# KiCad board nsec-badge-2025-panel.kicad_pcb (continued)
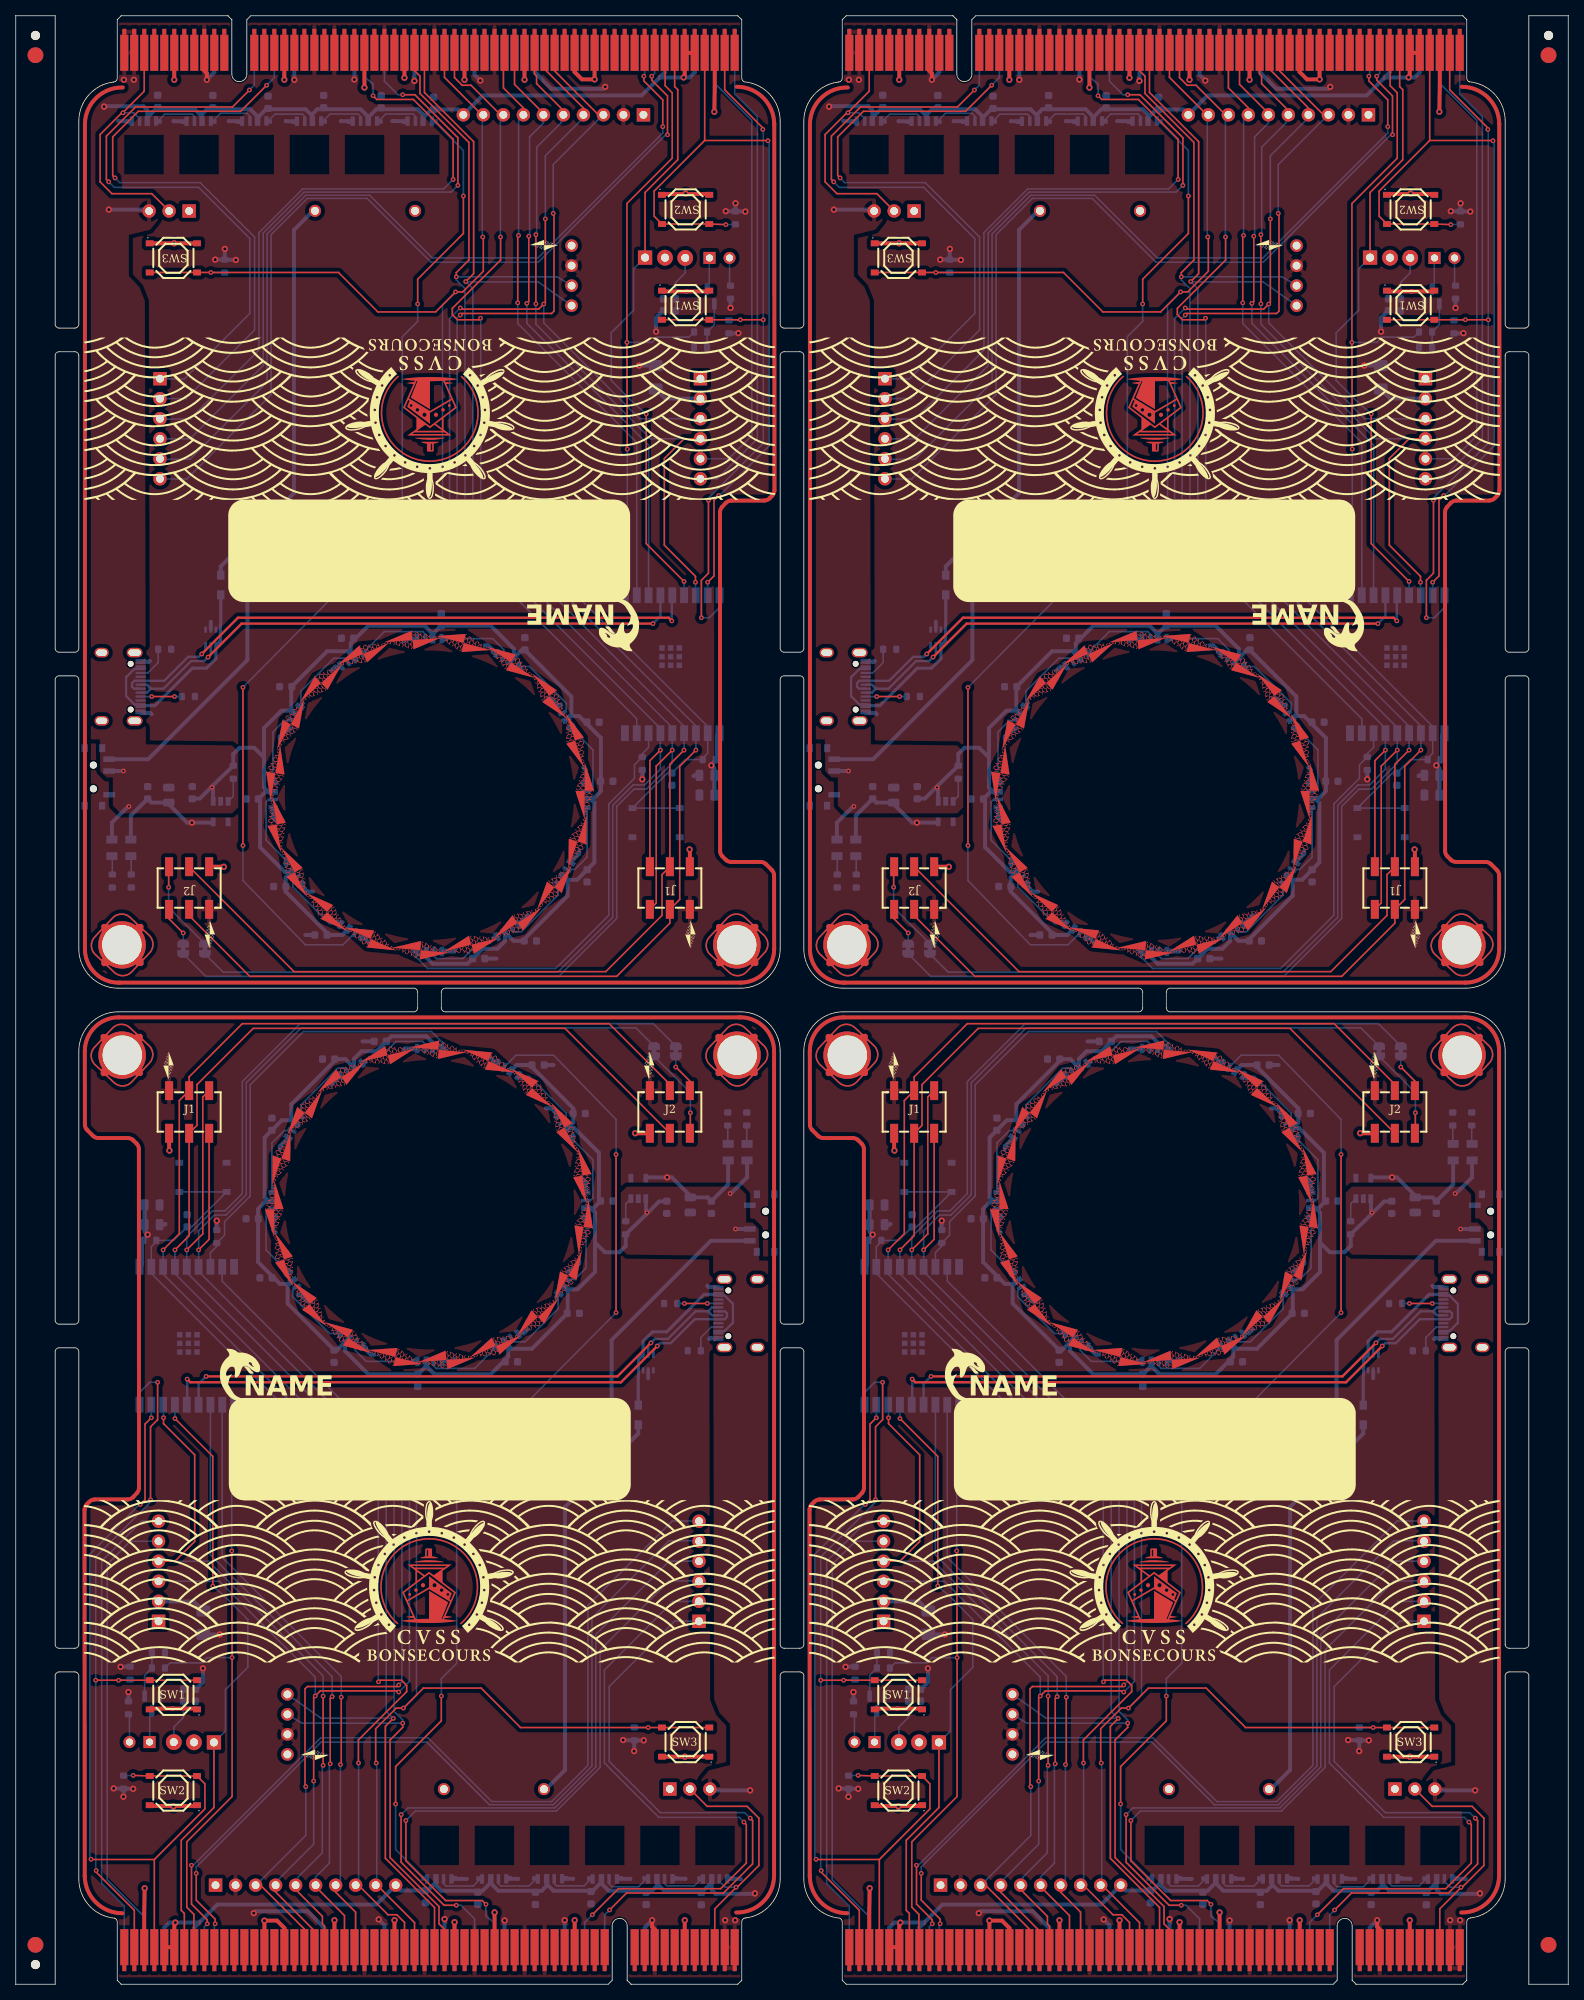
[diagram p0: board, top side]
## Routing (per net, layer and track width the routed paths; a pad name or vN(x,y) marks a point on that pad's centre or on a via; arc(x,y) is an arc through that point) (continued)
  Bottom w0.2: v2(29.65,240.32) 30.27,240.94 J5#4.A49 ; v2(11.8,228.67) 12.5,227.97 23.2,227.97 29.7,221.47 29.7,211.97 21.4,203.67 18.28,203.67 18.25,203.69
Board_0-SV4: length 80.4
  Top w0.2: v2(12.6,229.17) 12.3,229.47 12.3,234.37 15.55,237.62 28.53,237.62 v2(31.84,240.93)
  Bottom w0.2: 18.25,201.16 18.27,201.17 21.6,201.17 30.3,209.87 30.3,221.67 23.4,228.57 13.2,228.57 v2(12.6,229.17) ; v2(31.84,240.93) 32.81,241.9 J5#4.A47
Board_0-SV5: length 84.2
  Top w0.2: v2(45.34,239.59) 45.81,239.12 50.45,239.12 55.5,234.07 v2(55.5,228.97)
  Bottom w0.2: 18.25,198.62 18.3,198.57 22.1,198.57 30.85,207.32 30.85,222.22 36.4,227.77 54.3,227.77 v2(55.5,228.97) ; v2(45.34,239.59) 45.34,241.12 44.23,241.97 J5#4.A38 44.24,242.95
Board_0-SV6: length 83
  Top w0.2: v2(56.1,228.22) 56.1,234.27 50.65,239.72 v2(49.1,239.72)
  Bottom w0.2: 18.25,196.07 18.26,196.07 22.1,196.07 31.4,205.37 31.4,222.17 36.6,227.37 55.25,227.37 v2(56.1,228.22) ; v2(49.1,239.72) 48.5,239.72 46.78,241.44 J5#4.A36
Board_0-SV7: length 109.8
  Top w0.2: v2(82.1,235.67) 82.1,239.07 79.7,241.47 v2(79.7,242.07)
  Bottom w0.2: 18.25,193.54 18.32,193.47 22.1,193.47 31.89,203.26 31.89,222.06 36.8,226.97 44.9,226.97 52.85,219.02 66.25,219.02 82.1,234.87 v2(82.1,235.67) ; v2(79.7,242.07) 79.8,242.17 J5#4.A10
Board_0-SV8: length 112.5
  Top w0.2: v2(82.7,234.65) 82.7,239.57 80.7,241.57 v2(80.7,242.07)
  Bottom w0.2: v2(82.7,234.65) 82.48,234.65 66.3,218.47 52.69,218.47 44.59,226.57 37,226.57 32.4,221.97 32.4,201.67 21.7,190.97 18.28,190.97 18.25,191 ; J5#4.A9 81.07,242.44 v2(80.7,242.07)
Board_0-UART_RX: length 76.3
  Top w0.2: 61.88,244.9 61.88,240.59 64.41,238.06 J3#3.7 ; v2(63.8,221.87) 63.7,221.77 v2(63.7,213.32)
  Bottom w0.2: J3#3.7 63.8,236.56 v2(63.8,221.87) ; v2(63.7,213.32) 63.7,210.69 78.8,195.6 U1#4.11
Board_0-UART_TX: length 77.6
  Top w0.2: J5#4.B23 63.29,241.03 66.95,237.37 J3#3.6 ; v2(65.1,221.77) 65.1,213.5 v2(64.85,213.25)
  Bottom w0.2: U1#4.12 80.3,195.27 64.85,210.72 v2(64.85,213.25) ; v2(65.1,221.77) 65.2,221.87 65.2,234.37 66.95,236.12 J3#3.6
Board_0-USB_D+: length 78.3
  Top w0.3: v2(23.6,168.77) 28.2,173.37 82.85,173.37 v2(83.25,172.97)
  Bottom w0.3: U3#2.6 24.1,169.27 23.24,168.41 21.88,168.41 18.84,165.37 15.05,165.37 14.75,165.07 14.75,164.62 15,164.37 U2.A6 ; U1#4.14 83.25,176.17 v2(83.25,172.97)
Board_0-USB_D-: length 76.2
  Top w0.3: v2(80.85,172.62) 28.65,172.62 v2(24.4,168.37)
  Bottom w0.3: U2.A7 16.65,164.87 16.8,164.72 ; 16.8,164.72 17.15,164.37 18.75,164.37 22.25,167.87 23.9,167.87 v2(24.4,168.37) 24.75,168.72 U3#2.5 ; 16.8,164.72 17,164.52 17,164.22 16.65,163.87 U2.B7 ; v2(80.85,172.62) 81.8,173.57 U1#4.13
Board_0-VBAT: length 51.3
  Bottom w0.5: D1#2.2 26.01,179.88 35.3,189.17 35.3,222.57 37.72,224.99 BT1#4.P
Board_0-VBUS: length 27.5
  Bottom w0.2: U2.B4 U2.A9
  Bottom w0.3: U2.B4 15.05,166.87 14,165.82 14,163.42 15.05,162.37 U2.B9
  Bottom w0.4: 16,162.22 17.65,162.22 22.4,166.97 24.2,166.97 25.4,168.17 U3#2.4 25.98,170.46 25.98,172.6 26.01,172.63 D2#3.2
Board_0-VDD: length 280.1
  Top w0.5: 11.2,238.07 v1(11.2,238.22) 11.35,238.22 ; v1(84.75,241.92) 84.88,242.05 J5#4.B6 J5#4.A5
  Bottom w0.5: 31.5,155.62 30.25,156.87 28.4,156.87 27.6,156.07 R1#2.1 25.02,152.09 ; 32.06,151.27 31.68,151.27 31,150.6 31,144.25 34.13,141.12 34.97,141.12 RGB11#3.2 34.25,140.41 34.25,138.62 39.75,133.12 41.44,133.12 RGB12#2.2 ; 32.06,151.27 RGB10.2 ; 32.06,151.27 31.5,151.83 31.5,159.37 33.72,161.58 35.09,161.58 RGB9#3.2 34.97,161.71 34.97,164.59 39.5,169.12 42.09,169.12 RGB8.2 42.51,168.7 42.51,170.13 44.75,172.37 51.84,172.37 52.91,171.3 ; 52.91,171.3 53.98,172.37 60.25,172.37 63.22,169.41 63.22,168.28 RGB6#4.2 64.23,169.3 64.58,169.3 70.5,163.37 70.5,161.08 RGB5#3.2 70.3,160.89 71.49,160.89 74.25,158.12 74.25,151.37 73.26,150.38 RGB4#2.2 72.94,150.38 73.42,149.9 73.42,142.31 71.23,140.12 69.94,140.12 RGB3#2.2 70.04,140.03 70.04,138.1 64.3,132.37 63.17,132.37 RGB2#3.2 62.08,133.46 62.08,132.33 61.12,131.37 59.23,131.37 57.33,129.47 52.9,129.47 52.11,130.26 RGB1#3.2 ; 52.91,171.3 RGB7#4.2 ; KEY1.2 11.86,153.93 v2(13.66,153.93) ; 81.7,241.92 v1(84.75,241.92) 85.51,241.92 86.15,242.56 J5#4.A5 ; 81.7,241.92 82.34,242.56 J5#4.A8 ; 81.7,241.92 79.42,239.63 59.25,239.63 J3#3.10 56.1,237.86 C20#2.1 ; C1#2.1 23.37,150.44 24.77,151.84 v2(24.89,151.84) 24.89,151.96 25.02,152.09 ; v1(11.2,238.22) 11.25,238.27 16.2,238.27 16.68,237.79 RGB18.2 ; LED1#4.1 12.2,147.37 14.25,149.42 v2(14.35,149.42) ; 25.02,152.09 U6#2.1 ; 52.53,237.63 51.68,236.79 RGB13#3.2 51.68,237.21 51.01,237.88 45.76,237.88 44.72,236.84 RGB14#4.2 44.72,236.93 43.76,237.88 38.26,237.88 37.64,237.26 RGB15#4.2 37.64,237.01 36.76,237.88 31.76,237.88 30.68,236.8 RGB16#2.2 30.68,236.96 29.76,237.88 24.26,237.88 23.64,237.26 RGB17#2.2 23.64,236.96 22.72,237.88 17.75,237.88 16.68,236.81 RGB18.2 ; J4#4.3 16.75,225.15 v1(11.81,225.15) ; RGB18.2 16.73,236.41
  vias: v1(13.72,241.62) v1(14.99,241.62)
Board_1-+3V3: length 74.3
  Top w0.5: v1(116.25,241.62) 116.25,242.45 115.92,242.78 J5.B54
  Bottom w0.5: J5.A27 150.21,242.26 v1(150.95,241.52) ; U1#2.1 181,158.42 181,155.55 R6.1 v1(180.27,154.63) 180.65,154.27 C19#4.1 C18#3.1 ; R10#3.1 173.25,211.44 v1(173.25,209.67) ; J5.A39 v1(134.97,241.65) ; R8.1 v1(183.34,225.95) ; R8.1 v1(182.1,224.94) ; R8.1 v1(184.58,224.9) ; R9#4.1 v1(118.53,220.16) ; R9#4.1 v1(117.31,218.8) ; R9#4.1 v1(119.93,218.76) ; v1(182.7,212.67) R11#4.1 ; v1(142.59,241.47) J5.A33 ; LED2.1 106.6,148.26 C3#3.1 109.21,149.92 C2#4.1 111.41,149.71 113.75,147.37 v1(114.35,147.37) 116.95,147.37 U6.5 ; v1(183.7,209.47) 183.68,209.44 R7.1 ; v1(171.5,152.87) R14.1 ; J5.A21 157.84,242.61 159.98,240.47 166.55,240.47 v1(166.8,240.72) ; J5.A45 v1(127.35,241.62) ; v1(116.25,241.62) 117.19,242.56 J5.A53 ; v1(171.1,205.36) F1#3.1
Board_1-BTN_A: length 145.2
  Top w0.2: J3#4.9 151.15,237.17 146.4,241.92 J5.B30 ; v2(151.26,221.67) 151.33,221.6 151.33,217.33 148.71,214.71 v2(147.81,214.71) 145.28,212.17 137.95,212.17 132.95,217.17 v2(116.75,217.17) SW3#3.4 SW3#3.3
  Bottom w0.2: J3#4.9 151.2,237.04 151.2,221.73 v2(151.26,221.67) ; U1#2.8 170.8,160.54 146.15,185.19 146.15,213.05 v2(147.81,214.71) ; R9#4.2 v2(116.75,217.17)
Board_1-BTN_DOWN: length 103.2
  Top w0.2: v2(182.1,223.25) SW2#2.4 SW2#2.3 173,224.32 173,227.5 179.42,233.92 ; 179.42,233.92 187.41,233.92 v2(187.45,233.88) ; 179.42,233.92 J5.B4 ; v2(181.2,188.87) 180.6,188.27 180.6,178.67 v2(179.8,177.87)
  Bottom w0.2: v2(181.2,188.87) 181.3,188.87 187.6,195.17 187.6,233.73 v2(187.45,233.88) ; v2(179.8,177.87) U1#2.17 ; R8.2 v2(182.1,223.25)
Board_1-BTN_UP: length 95.7
  Top w0.2: v2(179,173.37) 179,178.12 179.9,179.02 v2(179.9,188.27) ; v2(186.8,235.32) 186.8,235.51 181.96,240.35 J5.B2 ; v2(186.86,211.17) v2(183.95,211.17) 183.6,211.17 SW1.4 SW1.3
  Bottom w0.2: U1#2.18 181.3,174.67 180,173.37 v2(179,173.37) ; v2(179.9,188.27) 179.9,188.57 186.86,195.53 v2(186.86,211.17) 186.85,211.18 186.85,235.27 v2(186.8,235.32) ; 182.42,211.15 v2(183.95,211.17)
Board_1-GND: length 95.4
  Top w0.5: J5.B3 180.7,240.67 v1(180.65,237.56) ; J5.B34 v1(141.32,241.87) ; J5.B22 156.56,241.68 156.5,241.62 ; 115.1,220.87 109.1,220.87 ; J5.B17 162.91,242.62 163.86,241.67 v1(165.45,241.67) J5.B15 ; J1#4.6 177.54,143.93 v1(177.5,143.97) ; J5.B57 112.11,241.76 ; J5.B46 v1(126.08,241.62) ; v1(136.24,240.63) J5.B38 ; 180,227.12 174,227.12 ; J5.B28 148.94,241.68 ; 180,214.77 174,214.77 ; J2.6 118.39,141.78 v1(118.4,141.77)
  Bottom w0.4: 114.65,163.37 114.85,163.37
  Bottom w0.5: RGB13.4 140.28,236.37 140.26,236.38 139.76,236.38 ; RGB17.4 112.04,236.36 112.01,236.38 ; 132,166.62 132.54,167.16 RGB8#2.4 ; RGB18#4.4 105.03,236.37 105.01,236.38 ; 133.26,236.38 133.28,236.37 RGB14.4 ; RGB11#2.4 129.02,138.62 129.75,138.62 ; 107.85,167.77 108.9,167.77 109,167.87 108.95,167.87 ; RGB3.4 163.5,143.44 163.5,143.87 ; 159.5,163.12 159.98,163.12 RGB5#2.4 ; RGB2.4 156.98,135.62 157,135.62 ; RGB10#4.4 124.66,147.96 125.25,147.37 ; C19#4.2 178.1,153.37 178,153.27 ; RGB16.4 119.03,236.37 119.01,236.38 ; 164,154.37 164.34,154.03 RGB4.4 ; 151.5,169.87 151.94,169.87 RGB6.4 ; U3#4.2 116.75,172.87 ; C16#2.2 128.75,133.12 ; 109.25,161.12 109.1,161.27 U2#4.A1 ; RGB12#4.4 137.07,131.87 137.25,131.87 ; RGB7.4 141.58,170.69 141.25,170.37 ; 126.26,236.38 126.29,236.36 RGB15#3.4 ; RGB1#4.4 147.67,131.03 147.75,131.12 ; RGB9#4.4 125.5,158.3 125.5,157.87 ; C5#2.2 153,130.12
  vias: v1(112.11,241.62) v1(112.1,220.87) v1(148.94,241.62) v1(156.56,241.62) v1(177,227.17) v2(177.1,214.77)
Board_1-GPIO1: length 222.3
  Top w0.2: J3#4.3 165.95,237.17 160.38,242.74 J5.B19 ; v2(148.4,211.77) 148.6,211.97 160,211.97 160.3,212.27 160.3,224.57 v2(160.2,224.67) ; v2(175.3,156.57) 173.27,154.54 173.27,137.18 J1#4.3
  Bottom w0.2: JP1#4.2 116.1,127.87 160.9,127.87 168.25,135.22 168.25,149.42 170.45,151.62 172,151.62 175.3,154.92 v2(175.3,156.57) U1#2.5 ; v2(160.2,224.67) 160.2,230.87 166.5,237.17 J3#4.3 ; v2(148.4,211.77) 148,211.37 148,186.75 175.3,159.45
Board_1-GPIO2: length 237.4
  Top w0.2: J1#4.4 172.46,155.23 v2(173.8,156.57) ; v2(159.2,223.97) 159.2,213.37 v2(159,213.17) 158.35,212.52 148.55,212.52 v2(148.4,212.67) ; J5.B20 159.1,242.97 164.03,238.04 J3#4.4
  Bottom w0.2: JP2.1 118.31,128.41 160.79,128.41 167.75,135.37 167.75,149.57 170.34,152.16 171.79,152.16 173.8,154.17 v2(173.8,156.57) U1#2.6 173.8,159.32 147.05,186.07 147.05,211.32 v2(148.4,212.67) ; 178.83,198.62 178.83,198.62 171.15,198.62 159,210.77 v2(159,213.17) ; J3#4.4 164.03,236.8 159.2,231.97 v2(159.2,223.97)
Board_1-GPIO3: length 88.4
  Top w0.2: 178.83,196.07 176.81,196.07 174.3,193.57 174.3,182.57 178.25,178.62 v2(178.25,177.87) ; J3#4.5 161.49,237.73 158.09,241.13 158.09,242.08 157.84,242.33 J5.B21 ; v2(158,221.97) v2(158,213.19)
  Bottom w0.2: v2(178.25,177.87) 178.25,176.27 U1#2.16 ; v2(158,213.19) 158,210.62 172.55,196.07 178.83,196.07 ; 161.2,236.88 161.2,236.17 158.1,233.07 158.1,222.07 v2(158,221.97)
Board_1-I2C_SCL: length 209.5
  Top w0.2: v2(147.9,216.62) 147.9,217.15 149.5,218.75 149.5,233.67 143.29,239.88 143.29,242.08 142.59,242.78 J5.B33 ; J2.5 127.31,128.47 166.87,128.47 174,135.6 174,140.78 J1#4.5 175,154.77 v2(176.8,156.57)
  Bottom w0.2: U7#4.3 160.71,216.62 v2(147.9,216.62) 147.9,216.22 149,215.12 149,187.4 176.8,159.59 U1#2.4 v2(176.8,156.57)
Board_1-I2C_SDA: length 209.1
  Top w0.2: J2.2 114,135.57 121.7,127.87 168.25,127.87 175,134.62 J1#4.2 176.25,137.62 176.25,154.52 v2(178.3,156.57) ; J5.B32 143.86,240.01 150.1,233.77 150.1,217.02 v2(149.1,216.02)
  Bottom w0.2: v2(178.3,156.57) U1#2.3 178.3,159.65 150,187.95 150,215.12 v2(149.1,216.02) 149.15,215.97 158.29,215.97 U7#4.4
Board_1-IR_IN: length 76.4
  Top w0.2: v2(172,199.22) 172,182.77 v2(176.8,177.97) ; U5#3.1 171.85,227.32 176,231.47 176,240.37 175.61,240.76 J5.B7
  Bottom w0.2: v2(176.8,177.97) U1#2.15 ; v2(172,199.22) 170.45,200.57 167.55,203.47 167.55,209.52 170.4,212.37 170.4,217.61 U5#3.1
Board_1-IR_OUT: length 80.8
  Top w0.2: J5.B8 174.4,244.98 174.4,240.87 175.3,239.97 175.3,231.67 169.55,225.92 v2(169.55,208.3) ; v2(169.6,194.76) v2(169.55,208.3) ; v2(169.55,208.3) 169.53,208.27
  Bottom w0.2: U1#2.10 169.29,177.79 169.6,178.89 v2(169.6,194.76) ; v2(169.55,208.3) 172.73,208.3 173.4,208.97 177.43,208.97 R12#2.1
Board_1-Net-(J6-Pin_2): length 6.1
  Bottom w0.2: 178.82,201.17 178.83,201.16
  Bottom w0.5: 178.82,201.17 174.41,201.17 F1#3.2
Board_1-Net-(JP1-A): length 5.1
  Top w0.2: J2.3 111.46,135.16 v2(113.25,133.37)
  Bottom w0.2: JP1#4.1 v2(113.25,133.37)
Board_1-Net-(JP2-B): length 11.7
  Top w0.2: v2(111.4,139.17) 111.4,141.72 J2.4
  Bottom w0.2: v2(111.4,139.17) 111.4,136.62 JP2.2
Board_1-Net-(LED1--): length 2.3
  Bottom w0.2: 104.25,140.8 104.25,143.07 LED1#2.2
Board_1-Net-(LED2--): length 2.3
  Bottom w0.2: 106.65,140.8 106.65,143.07 LED2.2
Board_1-Net-(Q1-B): length 5.9
  Bottom w0.2: Q1.1 180.65,210.55 R12#2.2 R13.2
Board_1-Net-(Q1-C): length 4.1
  Bottom w0.2: U4#4.1 180,218.99 180,215.36 Q1.3
Board_1-Net-(RGB1-DOUT): length 9.7
  Bottom w0.2: RGB1#4.3 145.07,130.43 145.37,130.13 148.76,130.13 150.75,132.12 152.22,132.12 RGB2.1
Board_1-Net-(RGB2-DOUT): length 9.3
  Bottom w0.2: RGB3.1 160.81,138.18 156.14,133.51 155.34,133.51 RGB2.3
Board_1-Net-(RGB3-DOUT): length 9.3
  Bottom w0.2: RGB3.3 162.93,141.43 164.5,143 164.5,148.89 RGB4.1
Board_1-Net-(RGB4-DOUT): length 9.8
  Bottom w0.2: RGB4.3 164.94,151.34 165.24,151.64 165.24,156.6 RGB5#2.1
Board_1-Net-(RGB5-DOUT): length 9.3
  Bottom w0.2: RGB6.1 157.19,167.18 161.84,162.53 161.84,161.74 RGB5#2.3
Board_1-Net-(RGB6-DOUT): length 9.3
  Bottom w0.2: RGB6.3 153.94,169.3 152.52,170.72 RGB7.1
Board_1-Net-(RGB7-DOUT): length 9.7
  Bottom w0.2: RGB8#2.1 138.78,171.62 143.63,171.62 143.95,171.3 RGB7.3
Board_1-Net-(RGB8-DOUT): length 9.6
  Bottom w0.2: RGB9#4.1 128.19,164.06 132.36,168.23 133.66,168.23 RGB8#2.3
Board_1-Net-(RGB10-DIN): length 9.3
  Bottom w0.2: RGB10#4.1 124.64,158.88 126.07,160.31 RGB9#4.3
Board_1-Net-(RGB10-DOUT): length 9.7
  Bottom w0.2: RGB10#4.3 124.06,150.31 123.76,150.01 123.76,145.14 RGB11#2.1
Board_1-Net-(RGB11-DOUT): length 9.3
  Bottom w0.2: RGB11#2.3 127.16,140 127.16,139.21 131.81,134.56 RGB12#4.1
Board_1-Net-(RGB12-DOUT): length 127.8
  Top w0.2: v2(120.83,144.47) v2(120.83,164.54) ; v2(143,213.17) 143,216.32 148.8,222.12 v2(148.8,226.87)
  Bottom w0.2: RGB13.1 148.8,232.63 v2(148.8,226.87) ; RGB12#4.3 133.51,131.87 128.75,131.87 120.83,140.02 v2(120.83,144.47) ; v2(120.83,164.54) 141.05,184.92 141.05,209.02 143,210.97 v2(143,213.17)
Board_1-Net-(RGB13-DOUT): length 5.7
  Bottom w0.2: RGB14.1 138.95,237.27 142.42,237.27 142.72,236.98 RGB13.3
Board_1-Net-(RGB14-DOUT): length 5.9
  Bottom w0.2: RGB14.3 135.76,236.98 135.46,237.27 131.88,237.27 RGB15#3.1
Board_1-Net-(RGB15-DOUT): length 5.7
  Bottom w0.2: RGB16.1 124.9,237.26 128.38,237.26 128.68,236.96 RGB15#3.3
Board_1-Net-(RGB16-DOUT): length 5.9
  Bottom w0.2: RGB16.3 121.72,236.98 121.33,237.37 117.98,237.37 RGB17.1
Board_1-Net-(RGB17-DOUT): length 5.7
  Bottom w0.2: RGB17.3 114.68,236.96 114.38,237.26 110.9,237.26 RGB18#4.1
Board_1-Net-(U2-CC1): length 5.2
  Top w0.2: v2(109.25,163.37) v2(112.15,163.37)
  Bottom w0.2: R4#2.1 v2(112.15,163.37) ; v2(109.25,163.37) U2#4.A5
Board_1-Net-(U2-CC2): length 4.4
  Bottom w0.2: U2#4.B5 108.75,166.37 110.08,167.7 R5#2.1
Board_1-Net-(U4-A): length 3.6
  Bottom w0.2: R11#4.2 182.57,215.62 U4#4.2
Board_1-Net-(U5-VS): length 7.2
  Bottom w0.2: 175.78,212.32 175.73,212.37 C17.1 175.73,215.9 176.95,217.12 U5#3.3
Board_1-Net-(U6-EN): length 3.1
  Bottom w0.2: R1.2 119.6,150.72 U6.3
Board_1-POWER_IN: length 33.5
  Bottom w0.5: D1#4.1 D2#2.1 121.39,168.01 108.8,155.42 KEY1#4.3
Board_1-RESET: length 128.9
  Top w0.2: J3#4.8 153.52,237.17 149.77,240.92 148.65,240.92 147.67,241.9 J5.B29 ; v2(153.51,221.67) 153.52,221.66 153.52,218.74 147.4,212.62 147.4,211.82 148.05,211.17 150.78,211.17 v2(150.98,211.37)
  Bottom w0.2: 179,155.37 179.8,156.17 U1#2.2 179.8,159.57 151,188.37 151,211.34 v2(150.98,211.37) ; SW4#2.4 SW4#2.3 174.68,153.65 C4#3.1 176.98,155.37 R6.2 ; v2(153.51,221.67) 153.5,221.68 153.5,237.15 153.52,237.17
Board_1-RGB_LED: length 53.7
  Bottom w0.2: RGB1#4.1 142.76,130.36 144.25,128.87 160.5,128.87 167.25,135.62 167.25,149.75 170.5,153 170.5,154.69 R14.2 171.5,156.12 172.3,156.92 U1#2.7
Board_1-RGB_OUT: length 31.8
  Top w0.2: J4.2 109.26,227.17 104.2,227.17 102.7,228.67 102.7,234.67 105.46,237.43 v2(105.6,237.43) 105.6,237.47 108.3,240.17 J5.B60
  Bottom w0.2: v2(105.6,237.43) 106.96,237.43 107.72,236.68 RGB18#4.3
Board_1-SV1: length 58.3
  Bottom w0.2: J6.5 182.47,193.54 185.4,196.47 185.4,236.47 180.7,241.17 J5.A3
Board_1-SV2: length 59.5
  Bottom w0.2: J5.A1 183.23,239.84 186.1,236.97 186.1,196.07 181.03,191 178.83,191
Board_1-SV3: length 76.8
  Top w0.2: v2(121.65,240.32) 119.5,238.17 107.2,238.17 103.5,234.47 103.5,228.97 v2(103.8,228.67)
  Bottom w0.2: J5.A49 122.27,240.94 v2(121.65,240.32) ; v2(103.8,228.67) 104.5,227.97 115.2,227.97 121.7,221.47 121.7,211.97 113.4,203.67 110.28,203.67 110.25,203.69
Board_1-SV4: length 80.4
  Top w0.2: v2(123.84,240.93) 120.53,237.62 107.55,237.62 104.3,234.37 104.3,229.47 v2(104.6,229.17)
  Bottom w0.2: v2(123.84,240.93) 124.81,241.9 J5.A47 ; v2(104.6,229.17) 105.2,228.57 115.4,228.57 122.3,221.67 122.3,209.87 113.6,201.17 110.27,201.17 110.25,201.16
Board_1-SV5: length 84.2
  Top w0.2: v2(147.5,228.97) 147.5,234.07 142.45,239.12 137.81,239.12 v2(137.34,239.59)
  Bottom w0.2: v2(147.5,228.97) 146.3,227.77 128.4,227.77 122.85,222.22 122.85,207.32 114.1,198.57 110.3,198.57 110.25,198.62 ; 136.24,242.95 J5.A38 136.23,241.97 137.34,241.12 v2(137.34,239.59)
Board_1-SV6: length 83
  Top w0.2: v2(141.1,239.72) 142.65,239.72 148.1,234.27 v2(148.1,228.22)
  Bottom w0.2: 110.25,196.07 110.26,196.07 114.1,196.07 123.4,205.37 123.4,222.17 128.6,227.37 147.25,227.37 v2(148.1,228.22) ; J5.A36 138.78,241.44 140.5,239.72 v2(141.1,239.72)
Board_1-SV7: length 109.8
  Top w0.2: v2(174.1,235.67) 174.1,239.07 171.7,241.47 v2(171.7,242.07)
  Bottom w0.2: J5.A10 171.8,242.17 v2(171.7,242.07) ; 110.25,193.54 110.32,193.47 114.1,193.47 123.89,203.26 123.89,222.06 128.8,226.97 136.9,226.97 144.85,219.02 158.25,219.02 174.1,234.87 v2(174.1,235.67)
Board_1-SV8: length 112.5
  Top w0.2: v2(174.7,234.65) 174.7,239.57 172.7,241.57 v2(172.7,242.07)
  Bottom w0.2: v2(174.7,234.65) 174.48,234.65 158.3,218.47 144.69,218.47 136.59,226.57 129,226.57 124.4,221.97 124.4,201.67 113.7,190.97 110.28,190.97 110.25,191 ; v2(172.7,242.07) 173.07,242.44 J5.A9
Board_1-UART_RX: length 76.3
  Top w0.2: v2(155.8,221.87) 155.7,221.77 v2(155.7,213.32) ; J3#4.7 156.41,238.06 153.88,240.59 153.88,244.9
  Bottom w0.2: J3#4.7 155.8,236.56 v2(155.8,221.87) ; U1#2.11 170.8,195.6 155.7,210.69 v2(155.7,213.32)
Board_1-UART_TX: length 77.6
  Top w0.2: J5.B23 155.29,241.03 158.95,237.37 J3#4.6 ; v2(156.85,213.25) 157.1,213.5 v2(157.1,221.77)
  Bottom w0.2: J3#4.6 158.95,236.12 157.2,234.37 157.2,221.87 v2(157.1,221.77) ; U1#2.12 172.3,195.27 156.85,210.72 v2(156.85,213.25)
Board_1-USB_D+: length 78.3
  Top w0.3: v2(175.25,172.97) 174.85,173.37 120.2,173.37 v2(115.6,168.77)
  Bottom w0.3: v2(175.25,172.97) 175.25,176.17 U1#2.14 ; U2#4.A6 107,164.37 106.75,164.62 106.75,165.07 107.05,165.37 110.84,165.37 113.88,168.41 115.24,168.41 116.1,169.27 U3#4.6
Board_1-USB_D-: length 76.2
  Top w0.3: v2(116.4,168.37) 120.65,172.62 v2(172.85,172.62)
  Bottom w0.3: U3#4.5 116.75,168.72 v2(116.4,168.37) 115.9,167.87 114.25,167.87 110.75,164.37 109.15,164.37 108.8,164.72 ; 108.8,164.72 108.65,164.87 U2#4.A7 ; 108.8,164.72 109,164.52 109,164.22 108.65,163.87 U2#4.B7 ; U1#2.13 173.8,173.57 v2(172.85,172.62)
Board_1-VBAT: length 51.3
  Bottom w0.5: BT1#2.P 129.72,224.99 127.3,222.57 127.3,189.17 118.01,179.88 D1#4.2
Board_1-VBUS: length 27.5
  Bottom w0.2: U2#4.B4 U2#4.A9
  Bottom w0.3: U2#4.B9 107.05,162.37 106,163.42 106,165.82 107.05,166.87 U2#4.B4
  Bottom w0.4: D2#2.2 118.01,172.63 117.98,172.6 117.98,170.46 U3#4.4 117.4,168.17 116.2,166.97 114.4,166.97 109.65,162.22 108,162.22
Board_1-VDD: length 280.1
  Top w0.5: 103.35,238.22 v1(103.2,238.22) 103.2,238.07 ; J5.A5 J5.B6 176.88,242.05 v1(176.75,241.92)
  Bottom w0.5: KEY1#4.2 103.86,153.93 v2(105.66,153.93) ; 173.7,241.92 v1(176.75,241.92) 177.51,241.92 178.15,242.56 J5.A5 ; 173.7,241.92 174.34,242.56 J5.A8 ; 173.7,241.92 171.42,239.63 151.25,239.63 J3#4.10 148.1,237.86 C20.1 ; 144.91,171.3 143.84,172.37 136.75,172.37 134.51,170.13 134.51,168.7 RGB8#2.2 134.09,169.12 131.5,169.12 126.97,164.59 126.97,161.71 RGB9#4.2 127.09,161.58 125.72,161.58 123.5,159.37 123.5,151.83 124.06,151.27 ; 144.91,171.3 145.98,172.37 152.25,172.37 155.22,169.41 155.22,168.28 RGB6.2 156.23,169.3 156.58,169.3 162.5,163.37 162.5,161.08 RGB5#2.2 162.3,160.89 163.49,160.89 166.25,158.12 166.25,151.37 165.26,150.38 RGB4.2 164.94,150.38 165.42,149.9 165.42,142.31 163.23,140.12 161.94,140.12 RGB3.2 162.04,140.03 162.04,138.1 156.3,132.37 155.17,132.37 RGB2.2 154.08,133.46 154.08,132.33 153.12,131.37 151.23,131.37 149.33,129.47 144.9,129.47 144.11,130.26 RGB1#4.2 ; 144.91,171.3 RGB7.2 ; RGB18#4.2 108.73,236.41 ; RGB18#4.2 108.68,237.79 108.2,238.27 103.25,238.27 v1(103.2,238.22) ; RGB18#4.2 108.68,236.81 109.75,237.88 114.72,237.88 115.64,236.96 RGB17.2 115.64,237.26 116.26,237.88 121.76,237.88 122.68,236.96 RGB16.2 122.68,236.8 123.76,237.88 128.76,237.88 129.64,237.01 RGB15#3.2 129.64,237.26 130.26,237.88 135.76,237.88 136.72,236.93 RGB14.2 136.72,236.84 137.76,237.88 143.01,237.88 143.68,237.21 RGB13.2 143.68,236.79 144.53,237.63 ; v2(106.35,149.42) 106.25,149.42 104.2,147.37 LED1#2.1 ; 117.02,152.09 R1.1 119.6,156.07 120.4,156.87 122.25,156.87 123.5,155.62 ; 117.02,152.09 116.89,151.96 v2(116.89,151.84) 116.77,151.84 115.37,150.44 C1#4.1 ; 117.02,152.09 U6.1 ; RGB10#4.2 124.06,151.27 ; 124.06,151.27 123.68,151.27 123,150.6 123,144.25 126.14,141.12 126.97,141.12 RGB11#2.2 126.25,140.41 126.25,138.62 131.75,133.12 133.44,133.12 RGB12#4.2 ; J4.3 108.75,225.15 v1(103.81,225.15)
  vias: v1(105.72,241.62) v1(106.99,241.62)
Board_2-+3V3: length 74.3
  Top w0.5: J5#2.B54 81.08,6.96 80.75,7.29 v1(80.75,8.12)
  Bottom w0.5: v1(54.41,8.27) J5#2.A33 ; J5#2.A53 79.81,7.18 v1(80.75,8.12) ; R8#4.1 v1(14.9,24.8) ; R8#4.1 v1(12.42,24.84) ; R8#4.1 v1(13.67,23.79) ; C18#4.1 C19#2.1 16.35,95.47 v1(16.74,95.11) R6#2.1 16,94.2 16,91.32 U1.1 ; J5#2.A21 39.16,7.13 37.03,9.27 30.45,9.27 v1(30.2,9.02) ; v1(13.3,40.27) 13.33,40.3 14.5,40.3 ; LED2#4.1 90.4,101.48 C3.1 87.79,99.82 C2#2.1 85.59,100.03 83.25,102.37 v1(82.65,102.37) 80.05,102.37 U6#3.5 ; J5#2.A45 v1(69.65,8.12) ; v1(25.5,96.87) 25.5,95.7 ; R9#3.1 v1(77.07,30.98) ; R9#3.1 v1(79.69,30.94) ; R9#3.1 v1(78.47,29.58) ; v1(23.75,40.07) 23.75,38.3 R10#2.1 ; v1(46.05,8.22) 46.79,7.48 J5#2.A27 ; J5#2.A39 v1(62.03,8.09) ; v1(25.9,44.38) F1#4.1 ; v1(14.3,37.07) R11.1
Board_2-BTN_A: length 145.2
  Top w0.2: v2(45.74,28.07) 45.67,28.14 45.67,32.42 48.29,35.03 v2(49.19,35.03) 51.73,37.57 59.05,37.57 64.05,32.57 v2(80.25,32.57) SW3#2.4 SW3#2.3 ; J3.9 45.85,12.57 50.6,7.82 J5#2.B30
  Bottom w0.2: v2(49.19,35.03) 50.85,36.7 50.85,64.55 26.2,89.2 U1.8 ; R9#3.2 v2(80.25,32.57) ; J3.9 45.8,12.7 45.8,28.01 v2(45.74,28.07)
Board_2-BTN_DOWN: length 103.2
  Top w0.2: 17.58,15.82 24,22.24 24,25.42 SW2#3.3 SW2#3.4 v2(14.9,26.5) ; 17.58,15.82 J5#2.B4 ; 17.58,15.82 9.59,15.82 v2(9.55,15.86) ; v2(17.2,71.87) 16.4,71.07 16.4,61.47 v2(15.8,60.87)
  Bottom w0.2: v2(9.55,15.86) 9.4,16.01 9.4,54.57 15.7,60.87 v2(15.8,60.87) ; v2(17.2,71.87) U1.17 ; 13.69,26.47 v2(14.9,26.5)
Board_2-BTN_UP: length 95.7
  Top w0.2: v2(17.1,61.47) 17.1,70.72 18,71.62 v2(18,76.37) ; v2(10.2,14.42) 10.2,14.23 15.04,9.39 J5#2.B2 ; SW1#2.3 SW1#2.4 13.4,38.57 v2(13.05,38.57) v2(10.14,38.57)
  Bottom w0.2: 14.58,38.59 v2(13.05,38.57) ; v2(17.1,61.47) 17.1,61.17 10.14,54.21 v2(10.14,38.57) 10.15,38.56 10.15,14.47 v2(10.2,14.42) ; v2(18,76.37) 17,76.37 15.7,75.07 U1.18
Board_2-GND: length 95.4
  Top w0.5: v1(78.6,107.97) 78.61,107.96 J2#3.6 ; 17,22.62 23,22.62 ; J5#2.B34 v1(55.68,7.87) ; J5#2.B22 40.44,8.06 40.5,8.12 ; J1#3.6 19.46,105.81 v1(19.5,105.77) ; 81.9,28.87 87.9,28.87 ; 17,34.97 23,34.97 ; J5#2.B28 48.06,8.06 ; J5#2.B57 84.89,7.98 ; J5#2.B3 16.3,9.07 v1(16.36,12.18) ; v1(60.76,9.11) J5#2.B38 ; J5#2.B46 v1(70.92,8.12) ; J5#2.B17 34.09,7.12 33.15,8.07 v1(31.55,8.07) J5#2.B15
  Bottom w0.4: 82.35,86.37 82.15,86.37
  Bottom w0.5: 57.24,13.36 56.74,13.36 56.73,13.37 RGB13#4.4 ; RGB12.4 59.94,117.87 59.75,117.87 ; RGB16#3.4 77.98,13.37 77.99,13.36 ; RGB6#2.4 45.07,79.87 45.5,79.87 ; 71.75,102.37 72.34,101.78 RGB10#2.4 ; RGB2#4.4 40.02,114.12 40,114.12 ; 88.05,81.87 88,81.87 88.1,81.97 89.15,81.97 ; 67.25,111.12 67.98,111.12 RGB11.4 ; C16#3.2 68.25,116.62 ; 71.5,91.87 71.5,91.44 RGB9.4 ; RGB4#4.4 32.67,95.71 33,95.37 ; C5#4.2 44,119.62 ; U2#3.A1 87.9,88.47 87.75,88.62 ; 55.75,79.37 55.43,79.05 RGB7#2.4 ; 37.5,86.62 37.02,86.62 RGB5.4 ; RGB17#3.4 84.96,13.38 84.99,13.36 ; 65,83.12 64.46,82.58 RGB8#3.4 ; 19,96.47 18.9,96.37 C19#2.2 ; U3.2 80.25,76.87 ; 91.99,13.36 91.98,13.37 RGB18#2.4 ; 63.74,13.36 63.73,13.37 RGB14#3.4 ; 49.25,118.62 49.34,118.71 RGB1#2.4 ; RGB15#2.4 70.71,13.38 70.74,13.36 ; 33.5,105.87 33.5,106.3 RGB3#3.4
  vias: v1(20,22.57) v1(40.44,8.12) v1(48.06,8.12) v1(84.9,28.87) v1(84.89,8.12) v2(19.9,34.97)
Board_2-GPIO1: length 222.3
  Top w0.2: v2(36.8,25.07) 36.7,25.17 36.7,37.47 37,37.77 48.4,37.77 v2(48.6,37.97) ; J5#2.B19 36.62,7 31.05,12.57 J3.3 ; v2(21.7,93.17) 23.73,95.2 23.73,112.56 J1#3.3
  Bottom w0.2: 21.7,90.29 49,63 49,38.37 v2(48.6,37.97) ; v2(36.8,25.07) 36.8,18.87 30.5,12.57 J3.3 ; JP1#3.2 80.9,121.87 36.1,121.87 28.75,114.52 28.75,100.32 26.55,98.12 25,98.12 21.7,94.82 v2(21.7,93.17) U1.5
Board_2-GPIO2: length 237.4
  Top w0.2: J5#2.B20 37.9,6.77 32.97,11.7 J3.4 ; J1#3.4 24.54,94.51 v2(23.2,93.17) ; v2(48.6,37.07) 48.45,37.22 38.65,37.22 v2(38,36.57) 37.8,36.37 v2(37.8,25.77)
  Bottom w0.2: 18.17,51.12 18.18,51.12 25.85,51.12 38,38.97 v2(38,36.57) ; J3.4 32.97,12.94 37.8,17.77 v2(37.8,25.77) ; v2(48.6,37.07) 49.95,38.42 49.95,63.67 23.2,90.42 U1.6 v2(23.2,93.17) 23.2,95.57 25.21,97.58 26.66,97.58 29.25,100.17 29.25,114.37 36.21,121.33 78.69,121.33 JP2#3.1
